# KiCad board DFTBoard.kicad_pcb (continued)
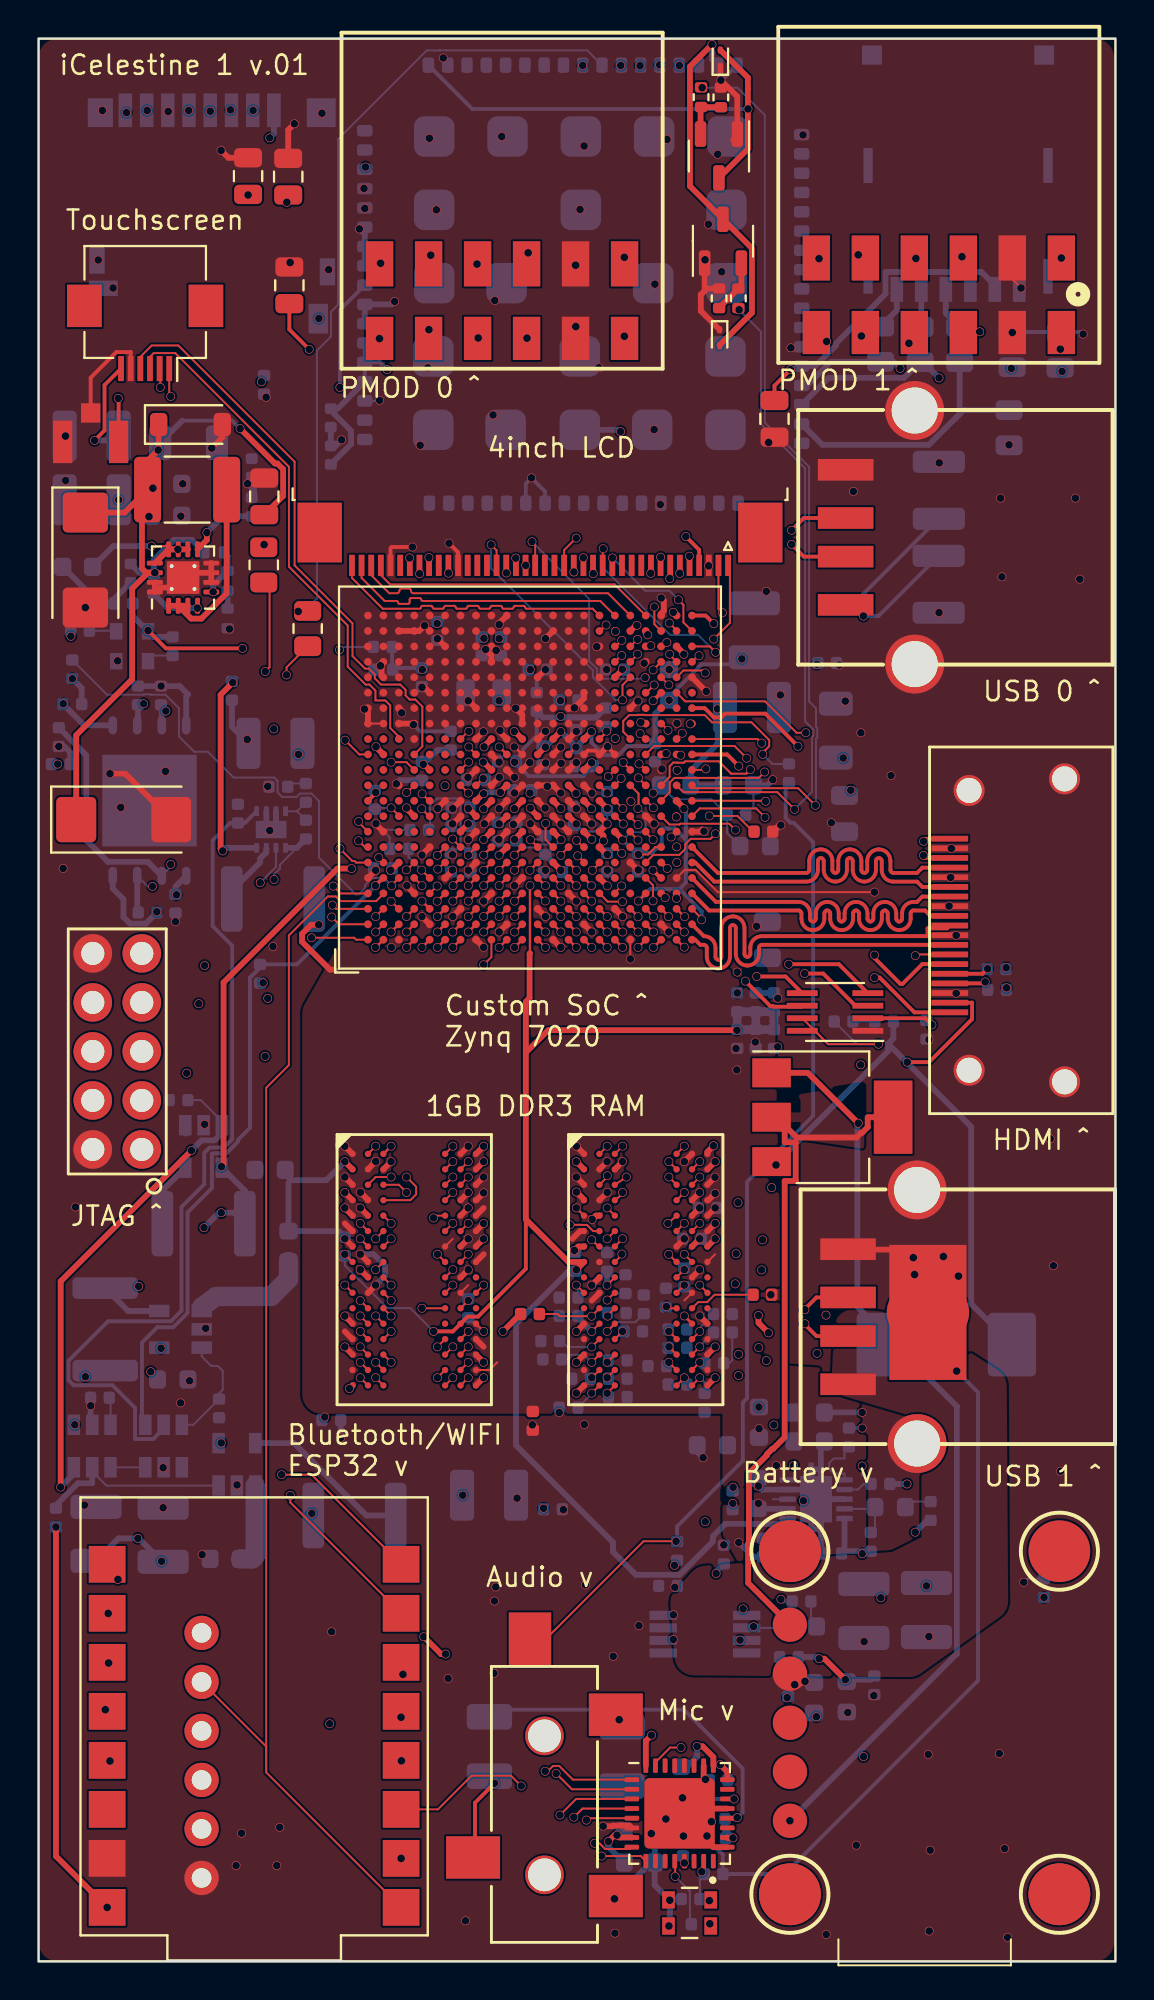
[diagram p0: board, top side]
## Routing (per net, layer and track width the routed paths; a pad name or vN(x,y) marks a point on that pad's centre or on a via; arc(x,y) is an arc through that point) (continued)
ESP32_3: length 107.2
  TOP_GND w0.102: U20.Y11 32.71,61.39 32.71,61.94 32.9,62.13 33.12,62.13 33.12,62.12 33.45,62.12 33.52,62.2 35.26,62.2 35.9,61.56 36.69,61.56 v1(36.9,61.77)
  GND1 w0.102: v1(36.9,61.77) 37.16,62.03 37.57,62.03 39.68,64.14 40.52,64.14 43.72,60.93 43.72,50.7 43.15,50.13 43.15,40.19 43.27,40.08 43.27,17.6 40.44,14.77 40.44,14.67 29.11,3.33 10.92,3.33 8.43,5.82 8.02,5.82 3.7,10.14 v1(3.7,10.39)
ESP32_4: length 97.5
  TOP_GND w0.102: v1(36.13,58.64) 35.8,58.96 33.26,58.96 33.22,58.92 32.7,58.92 U20.Y9 ; v1(3.63,15.47) 3.59,15.47 U14.2 3.56,15.5 3.58,15.5
  SIGNAL1 w0.102: v1(34.56,22.79) 34.33,22.56 34.33,18.75 30.99,15.41 28.24,15.41 28.12,15.53 16.09,15.53 arc(15.88,15.61) 15.79,15.83 15.79,16.2 arc(15.7,16.42) 15.49,16.5 arc(15.28,16.42) 15.19,16.2 15.19,14.85 arc(15.1,14.64) 14.89,14.55 arc(14.68,14.64) 14.59,14.85 14.59,16.2 arc(14.5,16.42) 14.29,16.5 arc(14.08,16.42) 13.99,16.2 13.99,14.85 arc(13.9,14.64) 13.69,14.55 arc(13.48,14.64) 13.39,14.85 13.39,16.2 arc(13.3,16.42) 13.09,16.5 arc(12.88,16.42) 12.79,16.2 12.79,14.85 arc(12.7,14.64) 12.49,14.55 arc(12.28,14.64) 12.19,14.85 12.19,16.2 arc(12.1,16.42) 11.89,16.5 arc(11.68,16.42) 11.59,16.2 11.59,14.85 arc(11.5,14.64) 11.29,14.55 arc(11.08,14.64) 10.99,14.85 10.99,16.2 arc(10.9,16.42) 10.69,16.5 arc(10.48,16.42) 10.39,16.2 10.39,14.85 arc(10.3,14.64) 10.09,14.55 arc(9.88,14.64) 9.79,14.85 9.79,16.1 arc(9.7,16.32) 9.49,16.4 arc(9.28,16.32) 9.19,16.1 9.19,15.83 arc(9.1,15.61) 8.89,15.53 3.69,15.53 v1(3.63,15.47)
  SIGNAL2 w0.102: v1(34.56,22.79) 34.56,23.69 38.77,27.9 38.77,40.02 37.84,40.95 37.84,56.93 v1(36.13,58.64)
GPRS_RX: length 66.8
  TOP_GND w0.102: U14.20 13.05,23.79 v1(13.05,24.15) ; 11.98,71.46 11.98,67.08 v1(11.75,66.85)
  SIGNAL1 w0.102: v1(11.75,66.85) 11.75,66.13 1.18,55.55 1.18,33.24 10.26,24.15 v1(13.05,24.15)
GPRS_TX: length 62.4
  TOP_GND w0.102: U14.21 14.15,25.23 v1(12.6,25.23) ; R22.1 12.85,67.07 v1(12.85,66.67)
  SIGNAL1 w0.102: v1(12.6,25.23) 9.85,25.23 1.53,33.55 1.53,54.6 10.09,63.16 10.09,63.91 v1(12.85,66.67)
GPRSrst: length 102.8
  TOP_GND w0.102: v1(39.19,59.71) 38.3,60.6 33.43,60.6 U20.AA11 ; v1(36.32,85.59) 36.28,85.63 R14.1
  SIGNAL2 w0.102: v1(39.19,59.71) 39.19,58.9 41.21,56.87 41.21,20.92 32.41,12.12 31.3,12.12 28.55,9.37 28.52,9.37 28.49,9.34 25.45,9.34 22.14,12.65 v1(18.79,12.65)
  BOTTOM w0.102: v1(36.32,85.59) 37.45,84.46 37.45,79.67 39.74,77.38 39.74,64.26 40.17,63.84 40.17,63.51 40.1,63.44 40.1,60.61 v1(39.19,59.71)
HDMI_B_N: length 18.6
  TOP_GND w0.2: v1(45.88,57.32) 45.95,57.39 45.95,57.19 47.23,57.19
  SIGNAL1 w0.2: v1(45.88,57.32) 45.74,57.46 40.96,57.46 arc(40.85,57.42) 40.81,57.31 40.81,56.84 arc(40.63,56.41) 40.2,56.23 arc(39.78,56.41) 39.6,56.84 39.6,58.53 arc(39.56,58.64) 39.45,58.69 arc(39.35,58.64) 39.3,58.53 39.3,58.06 arc(39.12,57.64) 38.7,57.46 33.59,57.46 v1(33.09,56.96)
HDMI_B_P: length 18.4
  TOP_GND w0.2: 47.23,58.18 45.95,58.18 45.95,57.98 v1(45.88,58.05)
  SIGNAL1 w0.2: v1(33.08,57.77) 33.26,57.77 33.41,57.91 38.7,57.91 arc(38.81,57.95) 38.85,58.06 38.85,58.53 arc(39.03,58.96) 39.45,59.14 arc(39.88,58.96) 40.05,58.53 40.05,56.84 arc(40.1,56.73) 40.2,56.69 arc(40.31,56.73) 40.36,56.84 40.36,57.31 arc(40.53,57.73) 40.96,57.91 45.74,57.91 v1(45.88,58.05)
HDMI_CEC: length 18.7
  TOP_GND w0.102: v1(31.85,54.96) 31.85,55.77 U20.W5 ; J9.13 45.51,52.19 v1(45.45,52.13)
  SIGNAL1 w0.102: v1(45.45,52.13) 41.79,55.79 32.58,55.79 31.85,55.06 v1(31.85,54.96)
HDMI_CLK_N: length 18.8
  TOP_GND w0.2: J9.12 37.5,52.69 arc(37.39,52.64) 37.35,52.53 37.35,52.21 arc(37.17,51.79) 36.75,51.61 arc(36.32,51.79) 36.14,52.21 36.14,53.56 arc(36.1,53.67) 35.99,53.71 arc(35.89,53.67) 35.84,53.56 35.84,52.06 arc(35.67,51.64) 35.24,51.46 arc(34.82,51.64) 34.64,52.06 34.64,52.53 arc(34.6,52.64) 34.49,52.69 34.3,52.69 34.04,52.95 U20.AB1
HDMI_CLK_P: length 19.4
  TOP_GND w0.2: U20.AB2 34.49,53.14 arc(34.91,52.96) 35.09,52.53 35.09,52.06 arc(35.14,51.95) 35.24,51.91 arc(35.35,51.95) 35.39,52.06 35.39,53.56 arc(35.57,53.98) 35.99,54.16 arc(36.42,53.98) 36.59,53.56 36.59,52.21 arc(36.64,52.1) 36.75,52.06 arc(36.85,52.1) 36.9,52.21 36.9,52.53 arc(37.07,52.96) 37.5,53.14 46.09,53.14 46.09,53.54 47.09,53.54 J9.10
HDMI_G_N: length 19.3
  TOP_GND w0.2: J9.6 45.81,55.69 45.54,55.96 44.31,55.96 arc(43.89,56.14) 43.71,56.56 43.71,57.03 arc(43.67,57.14) 43.56,57.19 arc(43.45,57.14) 43.41,57.03 43.41,56.56 arc(43.23,56.14) 42.81,55.96 arc(42.38,56.14) 42.21,56.56 42.21,57.03 arc(42.16,57.14) 42.06,57.19 arc(41.95,57.14) 41.91,57.03 41.91,56.56 arc(41.73,56.14) 41.3,55.96 arc(40.88,56.14) 40.7,56.56 40.7,57.03 arc(40.66,57.14) 40.55,57.19 arc(40.45,57.14) 40.4,57.03 40.4,56.56 arc(40.22,56.14) 39.8,55.96 35.03,55.96 34.04,56.95 U20.AB6
HDMI_G_P: length 19.4
  TOP_GND w0.2: J9.4 45.81,56.69 45.54,56.41 44.31,56.41 arc(44.21,56.45) 44.16,56.56 44.16,57.03 arc(43.98,57.46) 43.56,57.64 arc(43.14,57.46) 42.96,57.03 42.96,56.56 arc(42.91,56.45) 42.81,56.41 arc(42.7,56.45) 42.66,56.56 42.66,57.03 arc(42.48,57.46) 42.06,57.64 arc(41.63,57.46) 41.46,57.03 41.46,56.56 arc(41.41,56.45) 41.3,56.41 arc(41.2,56.45) 41.15,56.56 41.15,57.03 arc(40.98,57.46) 40.55,57.64 arc(40.13,57.46) 39.95,57.03 39.95,56.56 arc(39.91,56.45) 39.8,56.41 35.22,56.41 U20.AB7
HDMI_HEAC_N: length 17.1
  TOP_GND w0.102: v1(33.07,55.09) 33.08,55.1 U20.AA4
  TOP_GND w0.2: v1(43.33,50.98) 43.6,50.98 45.4,49.19 J9.19
  SIGNAL1 w0.2: v1(33.07,55.09) 39.49,55.09 42.25,52.34 42.25,51.97 43.23,50.98 v1(43.33,50.98)
HDMI_HEAC_P: length 17.5
  TOP_GND w0.2: v1(43.33,52.15) 43.33,52 44.67,50.66 44.79,50.66 45.81,51.69 J9.14
  SIGNAL1 w0.2: v1(43.33,52.15) 43.33,52.2 40,55.54 32.88,55.54 v1(32.48,55.13)
HDMI_R_N: length 19.5
  TOP_GND w0.2: U20.AB4 34.76,54.47 39.4,54.47 arc(39.5,54.42) 39.55,54.32 39.55,54.04 arc(39.72,53.62) 40.14,53.44 arc(40.56,53.62) 40.74,54.04 40.74,54.32 arc(40.78,54.42) 40.89,54.47 arc(40.99,54.42) 41.04,54.32 41.04,54.04 arc(41.21,53.62) 41.63,53.44 arc(42.05,53.62) 42.23,54.04 42.23,54.32 arc(42.27,54.42) 42.38,54.47 arc(42.48,54.42) 42.53,54.32 42.53,54.04 arc(42.7,53.62) 43.12,53.44 arc(43.54,53.62) 43.72,54.04 43.72,54.32 arc(43.76,54.42) 43.87,54.47 arc(43.98,54.42) 44.02,54.32 44.02,54.04 arc(44.19,53.62) 44.61,53.44 arc(45.03,53.62) 45.21,54.04 45.21,54.32 arc(45.25,54.42) 45.36,54.47 45.95,54.47 46.24,54.19 J9.9
HDMI_R_P: length 19.6
  TOP_GND w0.2: U20.AB5 35.12,54.91 39.4,54.91 arc(39.82,54.74) 39.99,54.32 39.99,54.04 arc(40.03,53.93) 40.14,53.89 arc(40.25,53.93) 40.29,54.04 40.29,54.32 arc(40.47,54.74) 40.89,54.91 arc(41.31,54.74) 41.48,54.32 41.48,54.04 arc(41.53,53.93) 41.63,53.89 arc(41.74,53.93) 41.78,54.04 41.78,54.32 arc(41.96,54.74) 42.38,54.91 arc(42.8,54.74) 42.97,54.32 42.97,54.04 arc(43.02,53.93) 43.12,53.89 arc(43.23,53.93) 43.27,54.04 43.27,54.32 arc(43.45,54.74) 43.87,54.91 arc(44.29,54.74) 44.46,54.32 44.46,54.04 arc(44.51,53.93) 44.61,53.89 arc(44.72,53.93) 44.77,54.04 44.77,54.32 arc(44.94,54.74) 45.36,54.91 45.54,54.91 45.81,55.19 J9.7
HPCOM_N: length 17.2
  TOP_GND w0.2: U9.20 36.19,7.42 v1(36.22,7.45)
  BOTTOM w0.2: v1(36.22,7.45) 36.5,7.73 36.5,10 33.45,13.05 23.75,13.05
HPCOM_P: length 6.7
  TOP_GND w0.2: U9.22 36.06,8.42 v1(36.06,8.42)
  BOTTOM w0.2: 30.93,9.09 31.44,9.09 33.25,7.27 33.27,7.27 34.42,8.42 v1(36.06,8.42)
HS: length 18.1
  SIGNAL1 w0.102: v1(29.89,63.38) 29.89,63.9 30.67,64.67 30.67,65.55 30.66,65.56 30.66,69.01 29.26,70.41 22.24,70.41 20.24,72.41 v1(20.24,72.76)
I2C5_HDMI_SCLK: length 20.5
  TOP_GND w0.2: v1(36.64,50.81) 37.94,49.5 38.09,49.5 38.12,49.47 39.53,49.47 U21.6 ; J9.15 48.94,51.19 v1(49.2,51.45)
  SIGNAL1 w0.2: v1(49.2,51.45) 49.53,51.12 49.53,50.59 48.41,49.47 37.97,49.47 v1(36.64,50.81)
I2C5_HDMI_SDA: length 16.7
  TOP_GND w0.2: v1(37.23,51.05) 38.72,51.05 U21.5 ; v1(49.07,50.76) 49,50.69 J9.16
  SIGNAL1 w0.2: v1(49.07,50.76) 43.73,50.76 43.52,50.54 43.18,50.54 43.17,50.53 37.75,50.53 v1(37.23,51.05)
I2C33_HDMI_SCLK: length 15
  TOP_GND w0.2: v1(31.85,56.55) 31.85,56.55 32.25,56.15 ; 42.34,49.53 40.68,51.2 v1(39.71,51.2)
  GND1 w0.102: v1(39.71,51.2) 39.71,51.77 34.14,57.35 32.65,57.35 v1(31.85,56.55)
I2C33_HDMI_SDA: length 13.5
  TOP_GND w0.2: 32.28,56.95 v1(32.59,56.65) ; v1(38.89,51.68) 41.49,51.68 U21.4
  GND1 w0.2: v1(38.89,51.68) 37.88,51.68 33.04,56.52 32.72,56.52 v1(32.59,56.65)
I2C33_SCLK: length 101.9
  TOP_GND w0.102: v1(18.3,55.75) 18.3,55.78 U20.C5 ; v1(28.83,6.12) 29.07,6.12 29.37,5.82 30.66,5.82 30.75,5.92
  GND1 w0.102: v1(18.3,55.75) 18.7,56.15 21.64,56.15 21.88,56.39 21.88,56.73 21.89,56.73 21.89,57.5 22.11,57.73 25.3,57.73 25.31,57.73 27.22,57.73 27.49,57.47 27.49,56.39 27.73,56.15 30.64,56.15 30.83,55.96 32.96,55.96 38.75,50.16 38.75,25.61 38.76,25.6 38.76,21.65 33.74,16.62 33.74,10.89 29.45,6.6 29.3,6.6 v1(28.83,6.12)
  BOTTOM w0.102: v1(18.3,55.75) 17.91,56.14 17.29,56.14 16.93,55.77 16.93,55.62 16.6,55.3 16.44,55.3 14.54,57.21 14.54,60.14 14.15,60.52 13.56,60.52 13.38,60.35 12.63,60.35 12.39,60.58 12.39,61.18 12.22,61.35 10.11,61.35 8.78,62.69 8.08,62.69 7.28,63.49 7.28,64.94 6.57,65.65 5.81,65.65 5.79,65.67 5.46,65.67 5.44,65.65 3.55,65.65 R103.2
I2C33_SDA: length 86.4
  TOP_GND w0.102: v1(15.63,57.67) 16.27,57.03 16.38,57.03 16.46,56.95 U20.A6 ; U9.9 31.21,5.46 v1(29.19,5.46)
  GND1 w0.102: 39.01,26.03 39.01,20.81 36.78,18.57 36.69,18.67 36.36,18.67 36.13,18.44 36.13,18.11 34.53,16.51 34.53,10.53 29.46,5.46 v1(29.19,5.46) ; 39.01,26.03 39.14,25.9 v1(39.14,25.7) ; 39.01,26.03 39.01,40.95 39.07,41.01 39.07,50.13 33.04,56.16 30.94,56.16 30.68,56.43 30.68,58.27 30.39,58.56 27.9,58.56 27.88,58.53 24.45,58.53 24.42,58.56 21.3,58.56 21.28,58.54 16.5,58.54 v1(15.63,57.67)
  SIGNAL2 w0.102: v1(36.01,24.58) 37.82,26.4 38.45,26.4 v1(39.14,25.7)
I2S_ADCSD: length 76.8
  TOP_GND w0.102: v1(28.4,7.33) 28.5,7.42 30.75,7.42 ; v1(33.78,64.14) 33.81,64.1 33.88,64.1
  SIGNAL2 w0.102: v1(33.78,64.14) 38.76,64.14 39.61,63.28 40.09,63.28 44.63,58.74 44.63,41.44 43.87,40.68 43.87,39.29 44.63,38.52 44.63,28.3 43.87,27.53 43.87,26.14 44.63,25.38 44.63,20.41 31.63,7.4 28.48,7.4 v1(28.4,7.33)
I2S_BCLK: length 66.7
  TOP_GND w0.102: v1(26.83,9.74) 27.65,8.92 30.75,8.92 ; U20.AA13 33.25,62.55 v1(33.29,62.51)
  SIGNAL2 w0.102: v1(33.29,62.51) 33.3,62.51 40.12,55.69 40.12,32.45 39.96,32.29 39.96,31.35 40.04,31.28 40.04,21.17 28.61,9.74 v1(26.83,9.74)
I2S_DACSD: length 75.9
  TOP_GND w0.102: v1(27.75,7.48) 28.19,7.92 30.75,7.92 ; U20.AA14 33.36,63.64 v1(33.36,63.65)
  SIGNAL2 w0.102: v1(33.36,63.65) 38.14,63.65 44.27,57.52 44.27,42 43.59,41.32 43.59,20 31.35,7.76 28.03,7.76 v1(27.75,7.48)
I2S_LRCLK: length 75
  TOP_GND w0.102: U20.AB14 37.27,63.35 v1(37.48,63.14) ; v1(27.03,7.59) 27.87,8.42 30.75,8.42
  SIGNAL2 w0.102: v1(27.03,7.59) 27.53,8.09 30.86,8.09 33.7,10.92 33.7,11.26 43.37,20.94 43.37,47.15 42.94,47.59 42.94,58.5 38.3,63.14 v1(37.48,63.14)
I2S_MCLK: length 66.9
  TOP_GND w0.102: v1(26.26,9.85) 26.33,9.92 26.46,9.92 26.67,10.13 26.99,10.13 27.7,9.42 30.75,9.42 ; 32.32,62.59 v1(32.53,62.59)
  SIGNAL2 w0.102: v1(26.26,9.85) 26.54,10.13 26.91,10.13 39.53,22.76 39.53,23.48 39.48,23.48 39.25,23.71 39.25,24.04 39.53,24.31 39.53,26.13 39.32,26.34 39.32,56.07 33.27,62.12 33.12,62.12 33.12,62.12 33.01,62.12 v1(32.53,62.59)
INIT_B: length 0.6
  TOP_GND w0.13: U20.T14 29.45,63.72 v1(29.45,63.76)
IOesp0: length 83.4
  TOP_GND w0.102: U20.Y15 32.28,64.15 v1(32.63,63.81) ; U14.10 18.8,14.97 v1(18.89,14.88)
  SIGNAL2 w0.102: v1(32.63,63.81) 33.33,63.11 34.16,63.11 36.53,60.74 39,60.74 39.79,59.95 39.79,59.2 41.79,57.2 41.79,20.66 29.72,8.58 21.71,8.58 17.96,12.34 17.96,13.95 v1(18.89,14.88)
IOesp1: length 78.8
  TOP_GND w0.102: v1(25.02,9.09) 24.49,9.62 22.45,9.62 20.71,7.88 U14.7 ; v1(31.22,64.21) 31.28,64.15 U20.W15
  SIGNAL2 w0.102: v1(31.22,64.21) 32.01,63.42 32.49,63.42 33.01,62.91 34.08,62.91 36.45,60.54 38.92,60.54 39.58,59.87 39.58,58.95 41.52,57.02 41.52,20.86 29.76,9.09 v1(25.02,9.09)
JD_HOUT: length 11.8
  TOP_GND w0.102: 30.68,63.36 30.31,63.73 30.31,64.28 30.62,64.59 31.04,64.59 31.06,64.6 31.38,64.6 31.4,64.59 34.54,64.59 34.91,64.22 36.96,64.22 37.88,63.3 37.88,62.97 37.66,62.76 37.66,62.68 v1(37.54,62.56)
  BOTTOM w0.102: v1(37.54,62.56) 38.04,62.06 R31.1
LCD_D0: length 8.1
  TOP_GND w0.102: v1(34.56,66.77) 34.43,66.9 33.43,66.9 U20.AA18
  SIGNAL2 w0.102: v1(34.56,66.77) 34.63,66.85 34.63,67.83 34.61,67.85 34.61,71.5 33.74,72.37 v1(33.74,72.83)
LCD_D1: length 6
  TOP_GND w0.102: v1(32.71,67.75) 32.71,67.71 U20.AA19
  GND1 w0.102: v1(32.71,67.75) 32.89,67.75 34.41,69.27 34.41,70.76 v1(33.24,71.94)
LCD_D2: length 5.8
  TOP_GND w0.102: U20.AB19 34.19,67.67 v1(34.24,67.67) ; v1(32.72,71.67) 32.75,71.69 32.75,72.35
  SIGNAL2 w0.102: v1(32.72,71.67) 34.24,70.15 v1(34.24,67.67)
LCD_D3: length 9.4
  TOP_GND w0.102: v1(32.67,66.16) 32.67,66.16 U20.Y18
  GND1 w0.102: v1(32.25,72.78) 32.95,72.78 34.61,71.11 34.61,68.63 33.85,67.86 33.85,67.33 v1(32.67,66.16)
LCD_D4: length 6
  TOP_GND w0.102: v1(31.86,66.93) U20.Y19
  SIGNAL2 w0.102: v1(31.86,66.93) 32.13,67.2 32.13,68.76 31.52,69.37 31.52,71.72 v1(31.74,71.94)
LCD_D8: length 6.2
  TOP_GND w0.102: v1(33.17,70.57) 33.43,70.31 33.43,69.4 U20.AB21
  BOTTOM w0.102: v1(29.75,72.74) 31.45,71.04 32.7,71.04 v1(33.17,70.57)
LCD_D9: length 10.9
  TOP_GND w0.102: v1(35.1,67.85) 34.8,68.15 U20.AB20 ; 29.25,72.35 29.25,73.19 v1(29.27,73.22)
  BOTTOM w0.102: v1(29.27,73.22) 29.27,72.23 32.75,68.75 34.2,68.75 v1(35.1,67.85)
LCD_D10: length 5.5
  TOP_GND w0.102: 33.08,68.98 v1(32.7,69.36)
  GND1 w0.102: v1(32.7,69.36) 32.2,69.36 29.83,71.73 29.81,71.73 29.62,71.92 v1(28.75,71.92)
LCD_D11: length 6.1
  TOP_GND w0.102: v1(31.92,70.2) 31.92,69.3 U20.Y21
  GND1 w0.102: v1(28.24,72.75) 28.68,72.31 28.92,72.31 28.94,72.29 29.83,72.29 v1(31.92,70.2)
LCD_D12: length 6.9
  TOP_GND w0.102: U20.Y20 32.48,68.36 v1(32.57,68.36)
  GND1 w0.102: v1(32.57,68.36) 32.57,68.71 29.75,71.53 28.23,71.53 v1(27.75,72.01)
LCD_D13: length 13.4
  TOP_GND w0.102: 27.25,72.35 27.25,73.14 v1(27.87,73.77) ; v1(31.91,66.15) 31.51,65.75 U20.W17
  GND1 w0.102: v1(31.91,66.15) 32.25,66.49 32.25,68.12 32.13,68.25 32.13,68.76 29.97,70.92 27.98,70.92 27.36,71.54 27.36,73.25 v1(27.87,73.77)
LCD_D16: length 12.2
  TOP_GND w0.102: v1(25.58,73.58) 25.75,73.41 25.75,72.35
  BOTTOM w0.102: v1(25.58,73.58) 28.54,70.61 28.54,67.4 28.94,67 28.94,66.65 29.12,66.48 31.39,66.48 v1(31.44,66.53)
LCD_D17: length 7.9
  TOP_GND w0.102: U20.V20 31.04,68.51 v1(31.05,68.51)
  GND1 w0.102: v1(31.05,68.51) 29,70.57 27.52,70.57 25.74,72.35 v1(25.25,72.35)
LCD_D18: length 8
  TOP_GND w0.102: 29.92,68.15 v1(30.23,68.46)
  GND1 w0.102: v1(24.74,72.73) 24.74,72.31 26.95,70.1 28.03,70.1 29.66,68.46 v1(30.23,68.46)
LCD_D19: length 9.1
  TOP_GND w0.102: v1(31.05,67.75) 31.05,67.73 U20.V19
  GND1 w0.102: v1(24.25,71.96) 26.63,69.58 28.05,69.58 29.55,68.07 30.73,68.07 v1(31.05,67.75)
LCD_D20: length 13.6
  TOP_GND w0.102: U20.V18 30.27,66.15 v1(30.27,65.38) ; 23.75,72.35 23.75,73.13 v1(23.46,73.42)
  BOTTOM w0.102: v1(23.46,73.42) 23.46,72.19 28.74,66.91 28.74,66.55 29.91,65.38 v1(30.27,65.38)
LEDA: length 7.5
  TOP_GND w0.102: v1(35.45,69.9) 35.25,70.1 35.25,72.35 ; v1(31.58,68.75) 31.58,68.78 31.47,68.89
  SIGNAL1 w0.102: v1(31.58,68.75) 31.8,68.97 34.81,68.97 34.84,68.93 35.17,68.93 35.45,69.21 v1(35.45,69.9)
LEDK: length 7.7
  TOP_GND w0.102: v1(35,68.53) 35.84,69.37 35.84,72.25
  SIGNAL1 w0.102: v1(35,68.53) 34.86,68.53 34.63,68.77 32.31,68.77 v1(31.73,68.19)
Pclk: length 11.2
  TOP_GND w0.102: U20.U19 30.2,67.68 v1(30.23,67.68)
  GND1 w0.102: v1(21.25,71.95) 21.63,71.56 24.16,71.56 28.05,67.68 v1(30.23,67.68)
PCM_CLK: length 53.2
  TOP_GND w0.102: 28.28,56.97 v1(27.95,57.3)
  SIGNAL1 w0.102: v1(27.95,57.3) 27.53,57.72 26.48,57.72 25.68,58.52 25.38,58.52 25.1,58.8 25.1,59 24.78,59.32 24.53,59.32 24.28,59.57 24.28,59.89 24.04,60.13 23.84,60.13 23.5,60.47 23.5,61.41 23.15,61.75 22.14,61.75 21.9,61.99 21.9,62.47 18.63,65.74 18.63,74.04 24.16,79.58 24.16,92.24 28.14,96.21 arc(28.22,96.42) 28.14,96.64 27.85,96.92 arc(27.77,97.13) 27.85,97.34 arc(28.07,97.43) 28.28,97.34 28.56,97.06 arc(28.77,96.97) 28.99,97.06 v1(30.18,98.26)
PCM_DIN: length 53.1
  TOP_GND w0.102: 29.88,55.39 v1(30.23,55.74)
  SIGNAL2 w0.102: v1(32.2,98.29) 30.76,96.85 30.76,94.73 30.76,94.68 30.73,94.59 30.67,94.51 30.6,94.46 30.51,94.43 30.46,94.43 30.06,94.43 30.01,94.42 29.92,94.39 29.85,94.34 29.79,94.26 29.76,94.17 29.76,94.13 29.76,94.08 29.79,93.99 29.85,93.91 29.92,93.86 30.01,93.83 30.06,93.83 30.89,93.83 30.92,93.82 30.98,93.79 31.01,93.73 31.01,93.7 31.01,93.35 31.01,93.32 30.98,93.26 30.92,93.23 30.89,93.23 30.06,93.23 30.01,93.22 29.92,93.19 29.85,93.14 29.79,93.06 29.76,92.97 29.76,92.93 29.76,92.88 29.79,92.79 29.85,92.71 29.92,92.66 30.01,92.63 30.06,92.63 30.89,92.63 30.92,92.62 30.98,92.59 31.01,92.53 31.01,92.5 31.01,92.15 31.01,92.12 30.98,92.06 30.92,92.03 30.89,92.03 30.06,92.03 30.01,92.02 29.92,91.99 29.85,91.94 29.79,91.86 29.76,91.77 29.76,91.73 29.76,91.68 29.79,91.59 29.85,91.51 29.92,91.46 30.01,91.43 30.06,91.43 30.46,91.43 30.51,91.42 30.6,91.39 30.67,91.34 30.73,91.26 30.76,91.17 30.76,91.13 30.76,72.84 28.55,70.63 28.55,68.31 28.54,68.3 28.54,67.97 28.55,67.96 28.55,66.54 30.52,64.57 30.52,63.23 31.92,61.83 31.92,61.53 32.31,61.15 32.31,57.8 31.46,56.96 30.93,56.96 30.23,56.26 v1(30.23,55.74)
PCM_OUT: length 52.5
  TOP_GND w0.102: U20.T4 29.5,54.92 v1(30.27,54.92)
  SIGNAL2 w0.102: v1(30.27,54.92) 30.7,55.36 32.07,55.36 33.85,57.13 33.85,59.9 32.71,61.04 32.71,61.96 32.48,62.2 32.38,62.2 32.14,62.43 31.83,62.43 30.75,63.51 30.75,65.09 30.67,65.17 30.67,66.01 29.84,66.84 29.84,67.79 29.01,68.62 29.01,70.11 31.22,72.33 31.22,94.27 31.22,94.31 31.25,94.4 31.31,94.48 31.38,94.53 31.47,94.56 31.52,94.57 31.92,94.57 31.97,94.57 32.06,94.6 32.13,94.65 32.19,94.73 32.22,94.82 32.22,94.87 32.22,94.91 32.19,95 32.13,95.08 32.06,95.13 31.97,95.16 31.92,95.17 31.52,95.17 31.47,95.17 31.38,95.2 31.31,95.25 31.25,95.33 31.22,95.42 31.22,95.47 31.22,96.26 v1(33.22,98.26)
PCM_SYNC: length 54.1
  TOP_GND w0.102: 29.08,56.92 v1(28.71,56.55)
  SIGNAL1 w0.102: v1(31.18,98.25) 24.72,91.79 24.72,79.2 18.83,73.31 18.83,65.98 21.45,63.36 22.45,63.36 22.7,63.1 22.7,62.78 22.93,62.55 23.21,62.55 23.44,62.32 23.44,62.03 23.71,61.76 24.84,61.76 25.07,61.53 25.07,59.63 25.32,59.38 25.66,59.38 25.88,59.15 25.88,58.82 26.12,58.58 26.12,58.58 26.16,58.55 28,58.55 28.28,58.26 28.28,57.94 28.71,57.51 v1(28.71,56.55)
PMOD1: length 39.2
  TOP_GND w0.102: v1(30.23,57.43) 30.2,57.43 U20.U7
  SIGNAL2 w0.102: v1(20.24,84.57) 20.25,84.57 20.76,84.06 arc(20.84,83.85) 20.76,83.64 20.47,83.35 arc(20.39,83.14) 20.47,82.93 arc(20.69,82.84) 20.9,82.93 21.89,83.92 arc(22.1,84.01) 22.31,83.92 arc(22.4,83.71) 22.31,83.5 21.32,82.51 arc(21.23,82.29) 21.32,82.08 arc(21.53,81.99) 21.75,82.08 22.74,83.07 arc(22.95,83.16) 23.16,83.07 arc(23.25,82.86) 23.16,82.65 22.88,82.36 arc(22.79,82.15) 22.88,81.94 22.88,81.91 24.58,80.21 24.58,73.89 25.69,72.78 25.69,68.09 26.67,67.11 26.67,65.5 26.66,65.5 26.66,65.18 26.67,65.17 26.67,62.22 26.7,62.19 26.7,61.48 27.47,60.71 27.47,59.59 27.71,59.34 28.04,59.34 28.28,59.1 28.28,58.79 28.53,58.54 29.36,58.54 29.88,58.02 29.88,57.78 v1(30.23,57.43)
PMOD2: length 39.9
  TOP_GND w0.102: 28.24,57.75 v1(27.89,58.1)
  SIGNAL2 w0.102: v1(17.67,84.1) 20.07,81.71 arc(20.15,81.5) 20.07,81.29 19.78,81 arc(19.69,80.79) 19.78,80.58 arc(19.99,80.49) 20.21,80.58 20.49,80.86 arc(20.7,80.95) 20.91,80.86 arc(21,80.65) 20.91,80.44 20.63,80.15 arc(20.54,79.94) 20.63,79.73 arc(20.84,79.64) 21.06,79.73 21.34,80.01 arc(21.55,80.1) 21.76,80.01 arc(21.85,79.8) 21.76,79.59 21.48,79.31 arc(21.39,79.09) 21.48,78.88 arc(21.69,78.79) 21.9,78.88 22.19,79.16 arc(22.4,79.25) 22.61,79.16 22.61,79.16 22.61,77.86 arc(22.52,77.65) 22.31,77.56 21.91,77.56 arc(21.7,77.47) 21.61,77.26 arc(21.7,77.05) 21.91,76.96 23.31,76.96 arc(23.52,76.87) 23.61,76.66 arc(23.52,76.45) 23.31,76.36 22.91,76.36 arc(22.7,76.27) 22.61,76.06 22.61,67.15 24.33,65.44 24.33,64.68 25.07,63.94 25.07,58.83 25.37,58.53 26.13,58.53 26.91,57.74 27.53,57.74 v1(27.89,58.1)
PMOD3: length 39.8
  TOP_GND w0.102: 30.68,59.31 v1(31.07,58.91)
  SIGNAL2 w0.102: v1(31.07,58.91) 31.41,59.25 31.41,59.97 30.47,60.91 30.05,60.91 30.01,60.95 29.26,60.95 28.28,61.93 28.28,62.75 28.25,62.78 28.25,63.1 28.27,63.12 28.27,65.03 27.12,66.18 27.12,70.55 arc(27.03,70.76) 26.82,70.85 26.57,70.85 arc(26.36,70.93) 26.27,71.15 arc(26.36,71.36) 26.57,71.45 26.82,71.45 arc(27.03,71.53) 27.12,71.75 27.12,72.05 26.76,72.41 26.76,73.34 arc(26.81,73.46) 26.94,73.51 arc(27.06,73.56) 27.11,73.69 27.11,73.94 arc(27.06,74.06) 26.94,74.11 26.51,74.11 arc(26.33,74.18) 26.26,74.36 26.26,74.46 arc(26.33,74.64) 26.51,74.71 26.94,74.71 arc(27.06,74.76) 27.11,74.89 27.11,75.14 arc(27.06,75.26) 26.94,75.31 26.51,75.31 arc(26.33,75.38) 26.26,75.56 26.26,75.66 arc(26.33,75.84) 26.51,75.91 26.94,75.91 arc(27.06,75.96) 27.11,76.09 27.11,76.34 arc(27.06,76.46) 26.94,76.51 26.51,76.51 arc(26.33,76.58) 26.26,76.76 26.26,76.86 arc(26.33,77.04) 26.51,77.11 26.94,77.11 arc(27.06,77.16) 27.11,77.29 27.11,77.54 arc(27.06,77.66) 26.94,77.71 26.51,77.71 arc(26.33,77.78) 26.26,77.96 26.26,78.06 arc(26.33,78.24) 26.51,78.31 26.94,78.31 arc(27.06,78.36) 27.11,78.49 27.11,78.74 arc(27.06,78.86) 26.94,78.91 arc(26.81,78.96) 26.76,79.09 26.76,79.34 arc(26.81,79.46) 26.94,79.51 arc(27.06,79.56) 27.11,79.69 27.11,79.94 arc(27.06,80.06) 26.94,80.11 26.61,80.11 arc(26.5,80.15) 26.46,80.26 26.46,80.56 arc(26.5,80.67) 26.61,80.71 26.94,80.71 arc(27.06,80.76) 27.11,80.89 27.11,81.14 arc(27.06,81.26) 26.94,81.31 26.06,81.31 arc(25.85,81.4) 25.76,81.61 arc(25.85,81.82) 26.06,81.91 26.94,81.91 arc(27.06,81.96) 27.11,82.09 27.11,82.34 arc(27.06,82.46) 26.94,82.51 arc(26.81,82.56) 26.76,82.69 v1(25.32,84.13)